# Altium PCB 1_ir-tara-f.PcbDoc (part 1 of 8)
Units mm, origin at the board's own origin, x right, y up, seen from the top; angles counter-clockwise.
Board outline 151 x 86.38 mm, 2 copper layers (Top Layer, Bottom Layer); 728 components, 20 nets, 2100 pads, 0 vias.
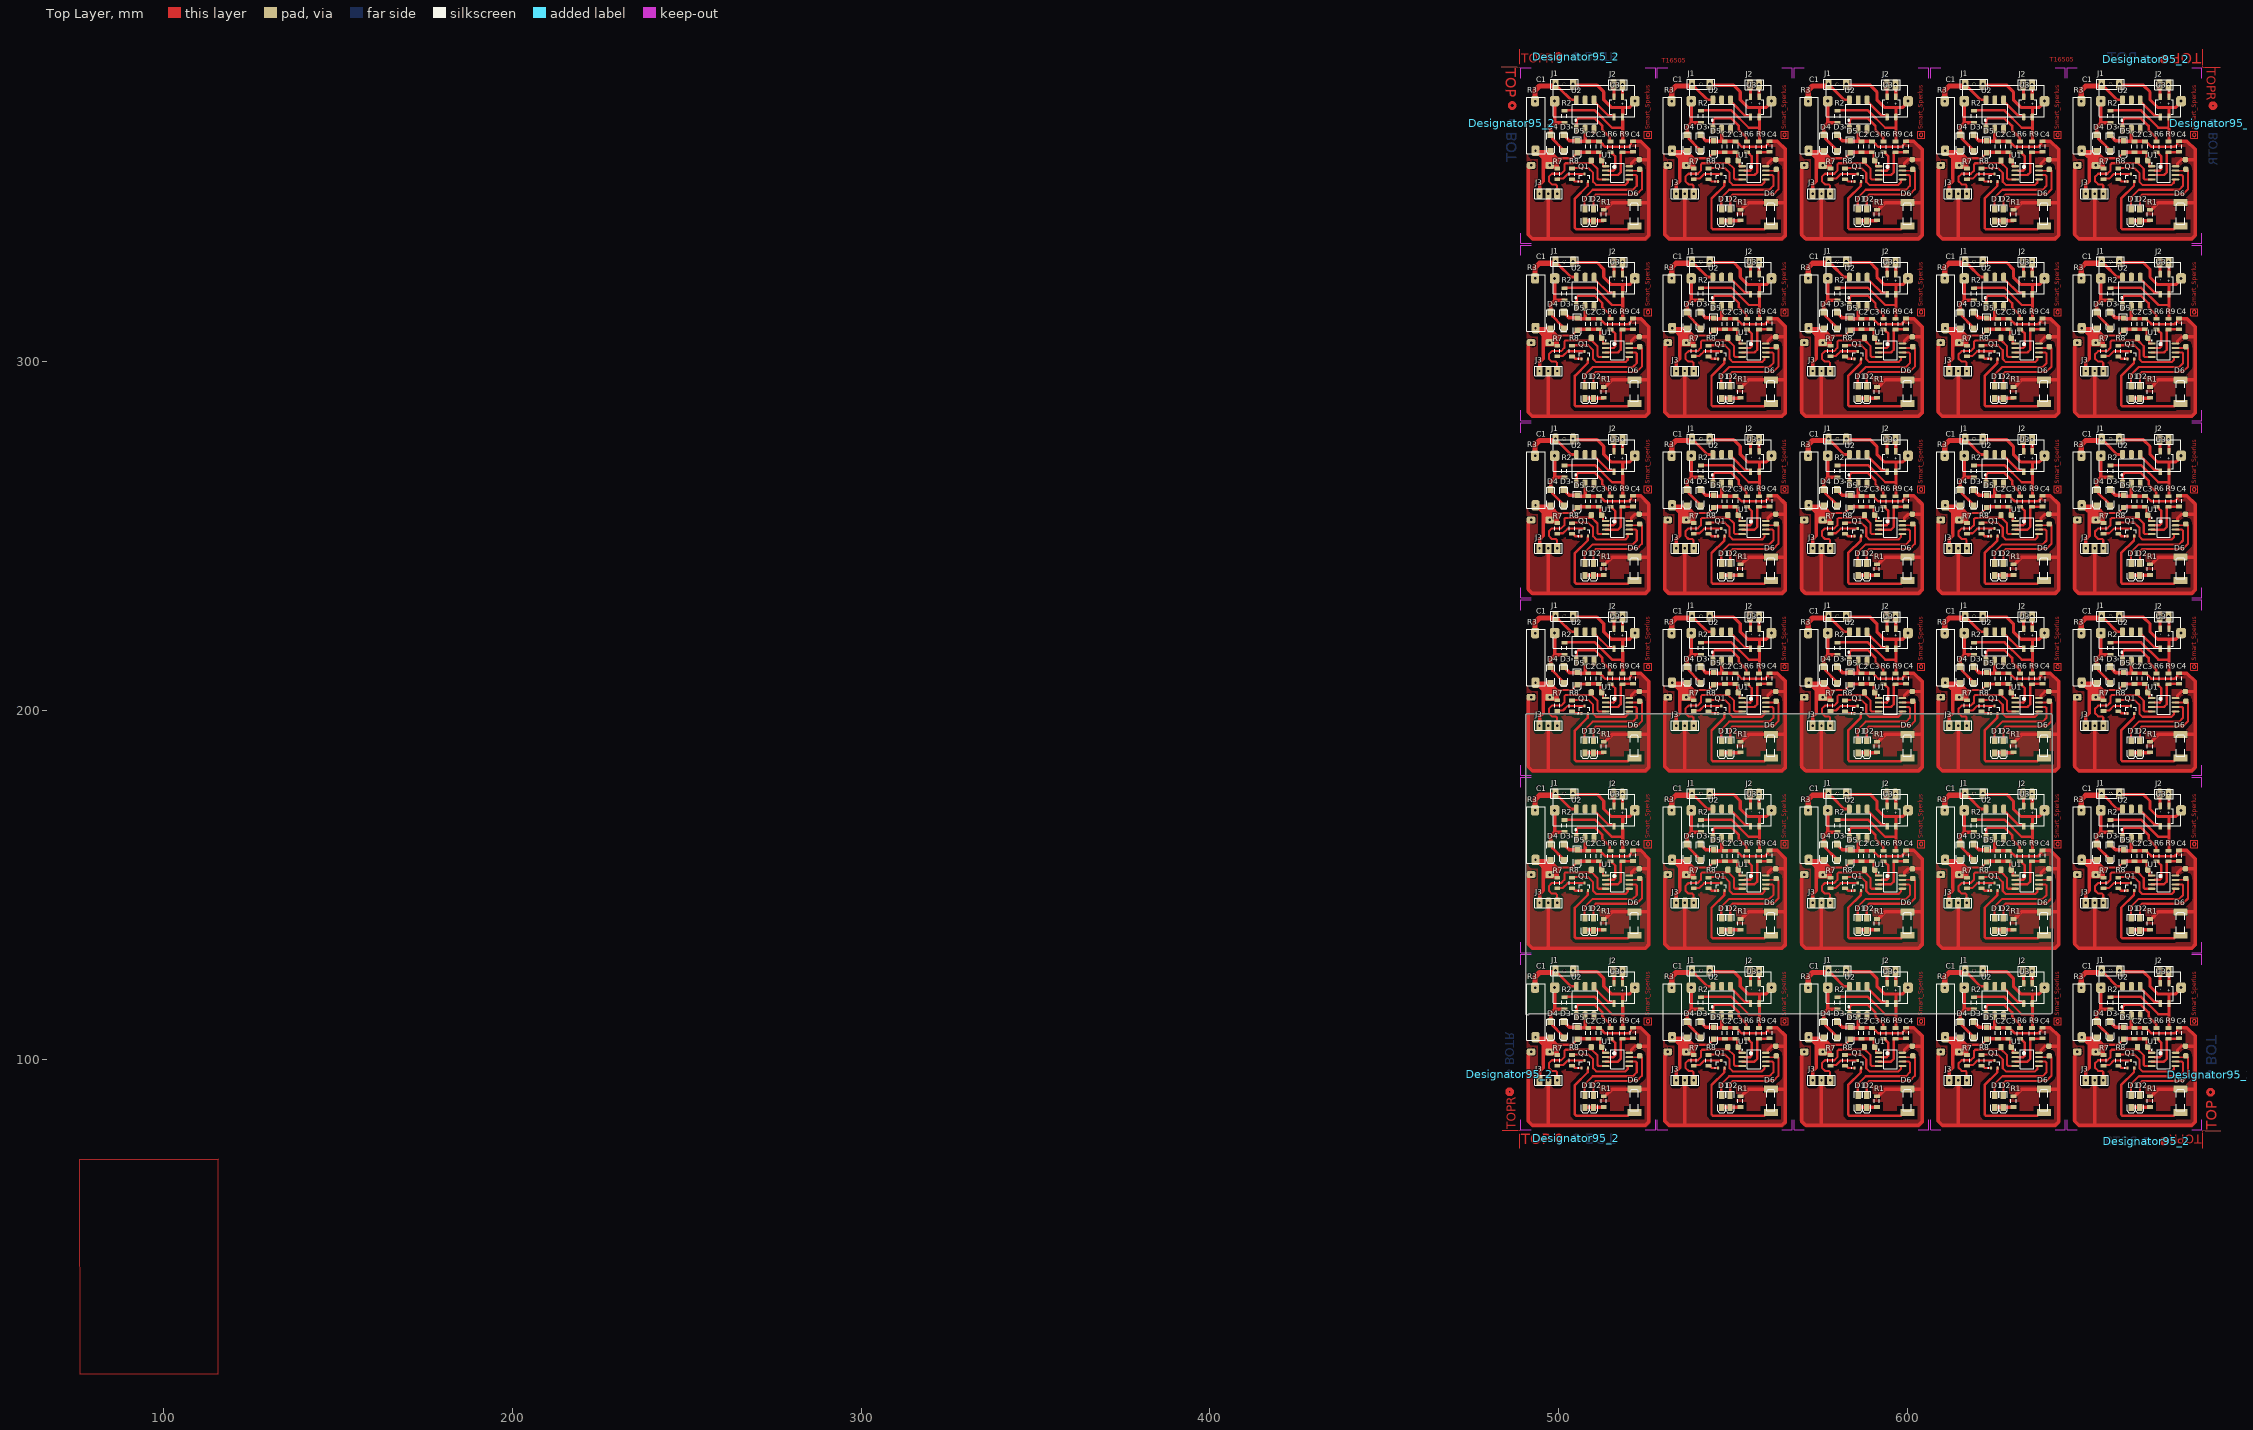
[diagram p0: Top Layer view]
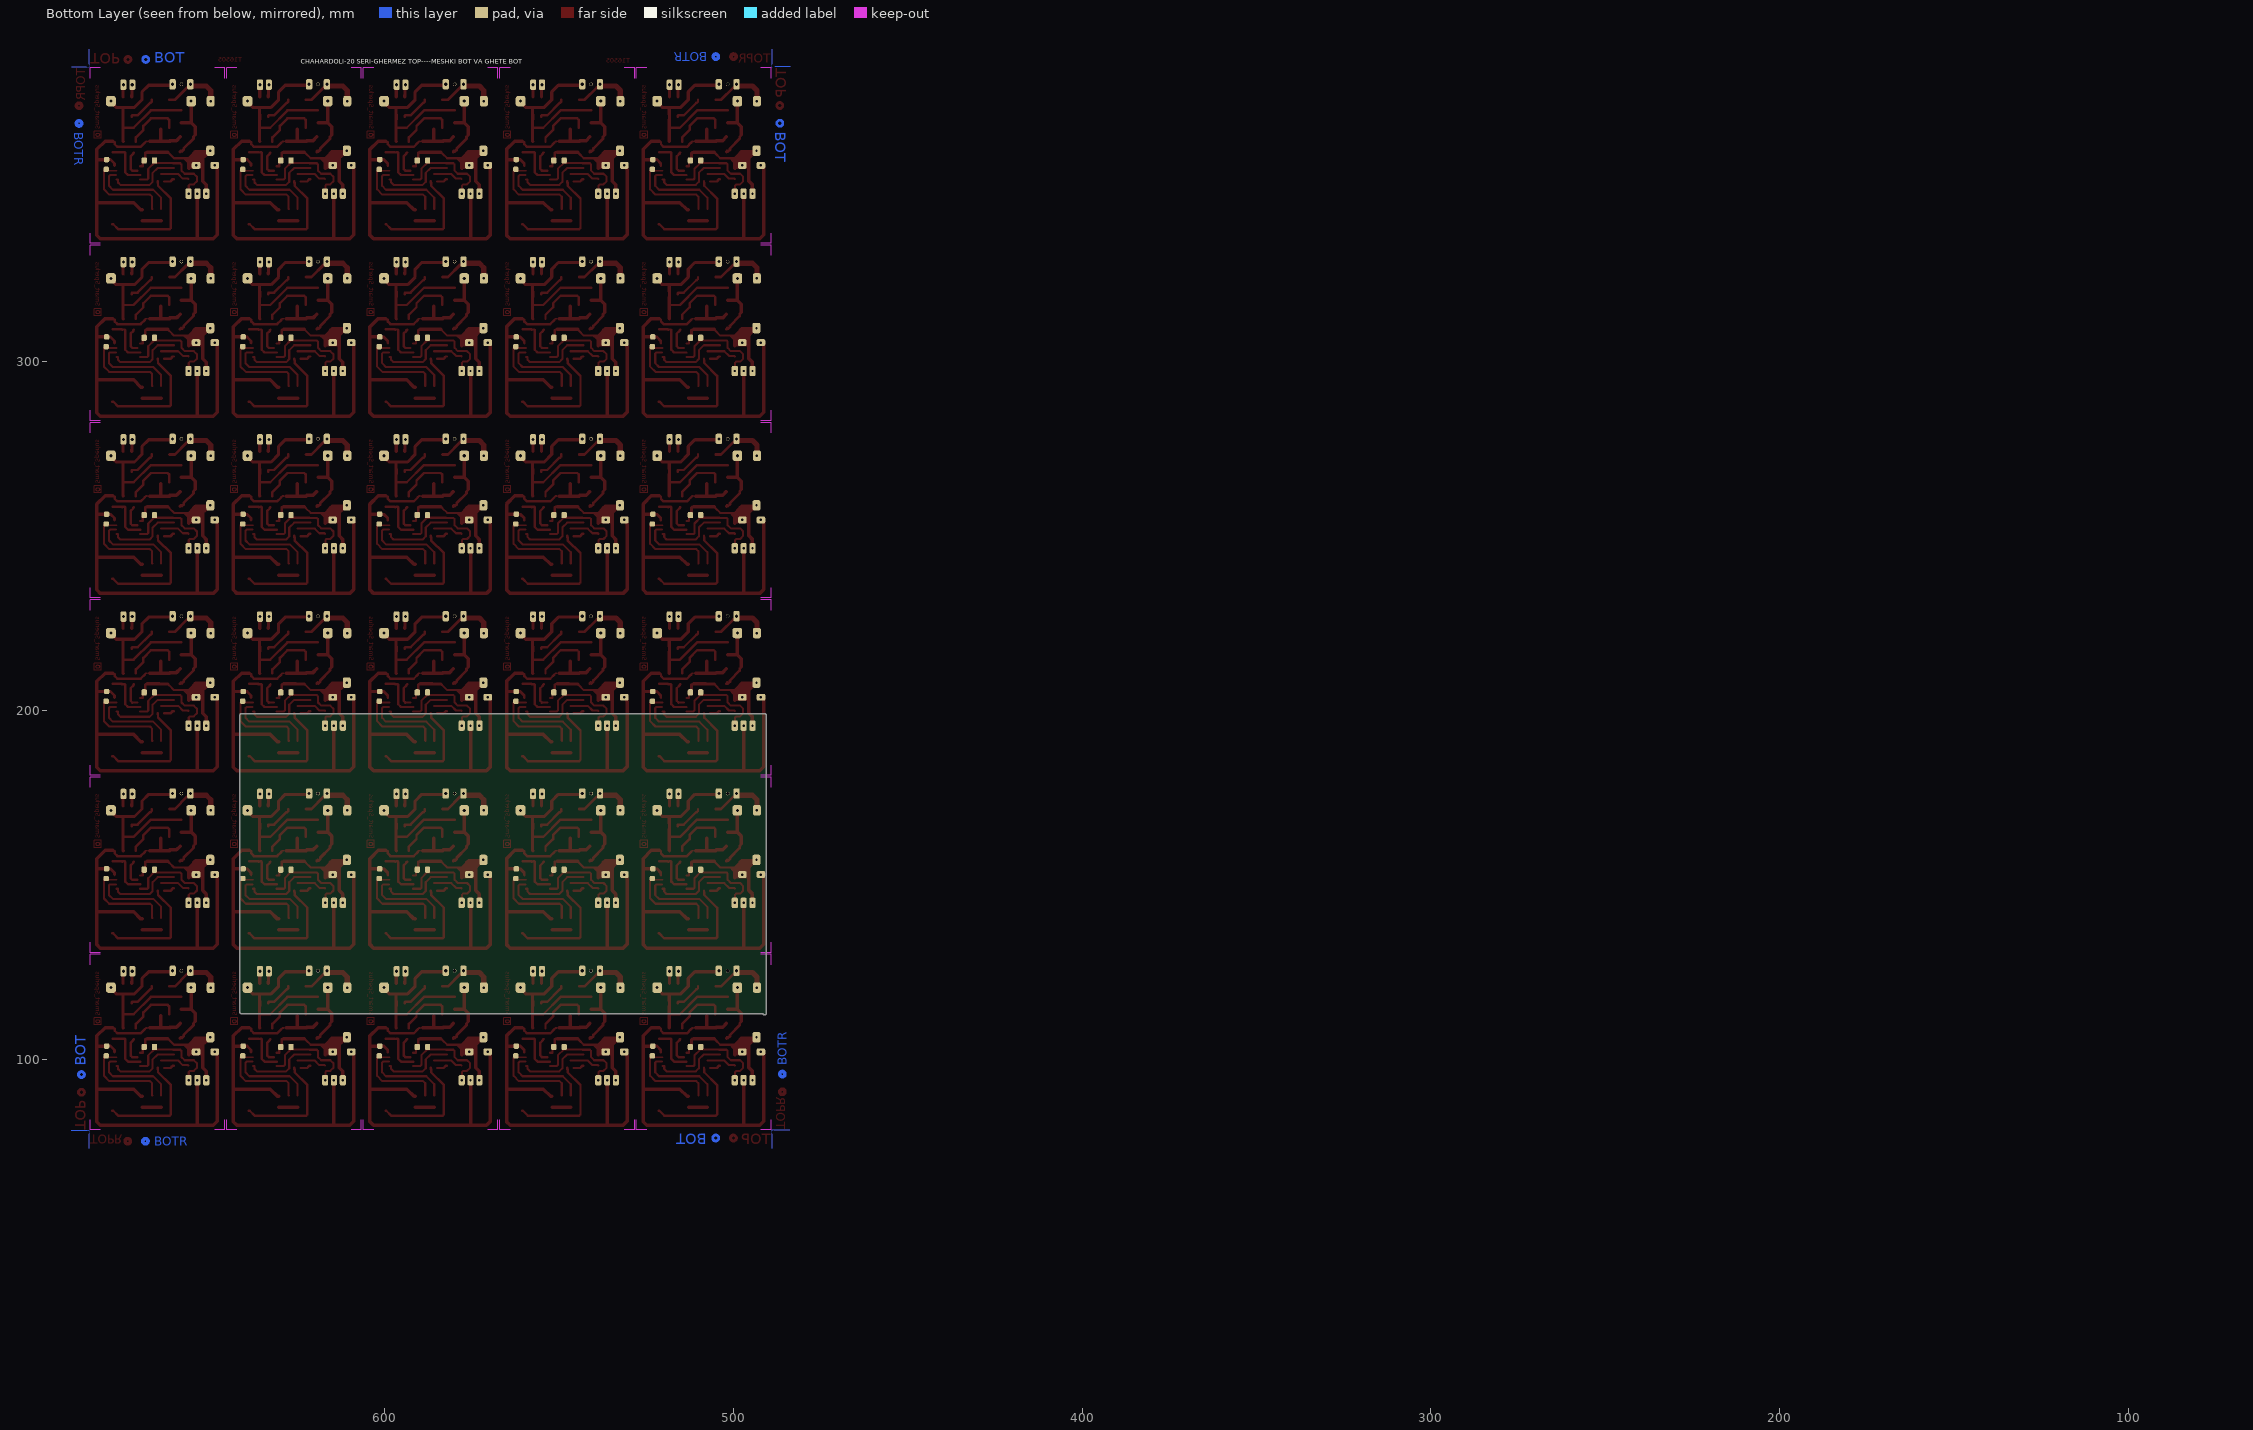
[diagram p1: Bottom Layer view, seen from below]

## Layer stack, top to bottom
Top Solder: solder mask 0.0102, Solder Resist, Dk 3.5
Top Layer: signal copper 0.0356
Dielectric1: dielectric 0.32, FR-4, Dk 4.8
Bottom Layer: signal copper 0.0356
Bottom Solder: solder mask 0.0102, Solder Resist, Dk 3.5

## Board outline
490.528,113.26 490.528,198.641 cw(c491.028,198.641) 491.028,199.142 641.028,199.142 cw(c641.028,198.641) 641.528,198.641 641.528,113.641 cw(c641.028,113.641) 641.028,113.141 491.514,113.141 cw(c491.028,113.26)

## Design rules (kind name [scope] priority, off if disabled: settings)
Clearance Clearance_1 [InPolygon] p1: gap=1 ignorepadtopadclearanceinfootprint=FALSE except(0: Arc-Hole Track-Hole SMDPad-Hole THPad-Hole Via-Hole Fill-Hole Poly-Hole Region-Hole Text-Hole)
Clearance [All] p2: gap=0.6 ignorepadtopadclearanceinfootprint=FALSE except(0: Arc-Hole Track-Hole SMDPad-Hole THPad-Hole Via-Hole Fill-Hole Poly-Hole Region-Hole Text-Hole)
FabricationTestpoint [(IsPad And (OnTopLayer Or OnBottomLayer))] p1: side=3 testpointundercomponent=TRUE minsize=1.016 maxsize=2.54 preferedsize=1.524 minholesize=0 maxholesize=1.016 preferedholesize=0.813 testpointgrid=0.025 allowsidetop=TRUE allowsidebottom=TRUE usegrid=TRUE gridtolerance=0
PolygonConnect [All] p1: connectstyle=Relief reliefconductorwidth=0.254 reliefentries=4 polygonreliefangle="90 Angle" airgapwidth=0.254
RoutingLayers [All] p1: top layer_v5=FALSE bottom layer_v5=TRUE
RoutingVias [All] p1: holewidth=0.711 width=2.5 viastyle="Through Hole" minholewidth=0.711 minwidth=1.27 maxholewidth=0.711 maxwidth=2
SolderMaskExpansion [All] p1: expansion=0.102 istentingtop=FALSE
Width [All] p1: maxlimit=3 minlimit=0.5 preferedwidth=1
28 further rules are at their usual default settings.

## Classes and differential pairs
component class ir-kh: C1 C2 C3 C4 D1 D2 D3 D4 D5 D6 D21 D22 D23 J1 J2 J3 J5 J8 JP? P5 P7 Q1 R1 R2 R6 R7 R8 R9 R22 U1 U2 U3 U17

## Components (designator, comment, footprint, x,y, rotation, side; value= is the part's Value field where it differs from the comment)
C1 "1uf 400v" "1uf 400v" 600.756,379.353 r180 top
C1 "1uf 400v" "1uf 400v" 639.911,379.353 r180 top
C1 "1uf 400v" "1uf 400v" 561.601,379.353 r180 top
C1 "1uf 400v" "1uf 400v" 522.447,379.353 r180 top
C1 "1uf 400v" "1uf 400v" 679.065,379.353 r180 top
C1 "1uf 400v" "1uf 400v" 600.756,328.514 r180 top
C1 "1uf 400v" "1uf 400v" 639.911,328.514 r180 top
C1 "1uf 400v" "1uf 400v" 561.601,328.514 r180 top
C1 "1uf 400v" "1uf 400v" 522.447,328.514 r180 top
C1 "1uf 400v" "1uf 400v" 679.065,328.514 r180 top
C1 "1uf 400v" "1uf 400v" 600.756,277.676 r180 top
C1 "1uf 400v" "1uf 400v" 639.911,277.676 r180 top
C1 "1uf 400v" "1uf 400v" 561.601,277.676 r180 top
C1 "1uf 400v" "1uf 400v" 522.447,277.676 r180 top
C1 "1uf 400v" "1uf 400v" 679.065,277.676 r180 top
C1 "1uf 400v" "1uf 400v" 600.756,125.16 r180 top
C1 "1uf 400v" "1uf 400v" 639.911,125.16 r180 top
C1 "1uf 400v" "1uf 400v" 561.601,125.16 r180 top
C1 "1uf 400v" "1uf 400v" 522.447,125.16 r180 top
C1 "1uf 400v" "1uf 400v" 679.065,125.16 r180 top
C1 "1uf 400v" "1uf 400v" 600.756,226.837 r180 top
C1 "1uf 400v" "1uf 400v" 639.911,226.837 r180 top
C1 "1uf 400v" "1uf 400v" 561.601,226.837 r180 top
C1 "1uf 400v" "1uf 400v" 522.447,226.837 r180 top
C1 "1uf 400v" "1uf 400v" 679.065,226.837 r180 top
C1 "1uf 400v" "1uf 400v" 679.065,175.998 r180 top
C1 "1uf 400v" "1uf 400v" 522.447,175.998 r180 top
C1 "1uf 400v" "1uf 400v" 561.601,175.998 r180 top
C1 "1uf 400v" "1uf 400v" 639.911,175.998 r180 top
C1 "1uf 400v" "1uf 400v" 600.756,175.998 r180 top
C2 "=Value" "CAP 1206"#1 586.786,361.7 r90 top
C2 "=Value" "CAP 1206"#1 625.941,361.7 r90 top
C2 "=Value" "CAP 1206"#1 547.631,361.7 r90 top
C2 "=Value" "CAP 1206"#1 508.477,361.7 r90 top
C2 "=Value" "CAP 1206"#1 665.095,361.7 r90 top
C2 "=Value" "CAP 1206"#1 586.786,310.861 r90 top
C2 "=Value" "CAP 1206"#1 625.941,310.861 r90 top
C2 "=Value" "CAP 1206"#1 547.631,310.861 r90 top
C2 "=Value" "CAP 1206"#1 508.477,310.861 r90 top
C2 "=Value" "CAP 1206"#1 665.095,310.861 r90 top
C2 "=Value" "CAP 1206"#1 586.786,260.023 r90 top
C2 "=Value" "CAP 1206"#1 625.941,260.023 r90 top
C2 "=Value" "CAP 1206"#1 547.631,260.023 r90 top
C2 "=Value" "CAP 1206"#1 508.477,260.023 r90 top
C2 "=Value" "CAP 1206"#1 665.095,260.023 r90 top
C2 "=Value" "CAP 1206"#1 586.786,107.507 r90 top
C2 "=Value" "CAP 1206"#1 625.941,107.507 r90 top
C2 "=Value" "CAP 1206"#1 547.631,107.507 r90 top
C2 "=Value" "CAP 1206"#1 508.477,107.507 r90 top
C2 "=Value" "CAP 1206"#1 665.095,107.507 r90 top
C2 "=Value" "CAP 1206"#1 586.786,209.184 r90 top
C2 "=Value" "CAP 1206"#1 625.941,209.184 r90 top
C2 "=Value" "CAP 1206"#1 547.631,209.184 r90 top
C2 "=Value" "CAP 1206"#1 508.477,209.184 r90 top
C2 "=Value" "CAP 1206"#1 665.095,209.184 r90 top
C2 "=Value" "CAP 1206"#1 665.095,158.345 r90 top
C2 "=Value" "CAP 1206"#1 508.477,158.345 r90 top
C2 "=Value" "CAP 1206"#1 547.631,158.345 r90 top
C2 "=Value" "CAP 1206"#1 625.941,158.345 r90 top
C2 "=Value" "CAP 1206"#1 586.786,158.345 r90 top
C3 "=Value" "CAP 1206"#1 589.834,361.7 r90 top
C3 "=Value" "CAP 1206"#1 628.989,361.7 r90 top
C3 "=Value" "CAP 1206"#1 550.679,361.7 r90 top
C3 "=Value" "CAP 1206"#1 511.525,361.7 r90 top
C3 "=Value" "CAP 1206"#1 668.143,361.7 r90 top
C3 "=Value" "CAP 1206"#1 589.834,310.861 r90 top
C3 "=Value" "CAP 1206"#1 628.989,310.861 r90 top
C3 "=Value" "CAP 1206"#1 550.679,310.861 r90 top
C3 "=Value" "CAP 1206"#1 511.525,310.861 r90 top
C3 "=Value" "CAP 1206"#1 668.143,310.861 r90 top
C3 "=Value" "CAP 1206"#1 589.834,260.023 r90 top
C3 "=Value" "CAP 1206"#1 628.989,260.023 r90 top
C3 "=Value" "CAP 1206"#1 550.679,260.023 r90 top
C3 "=Value" "CAP 1206"#1 511.525,260.023 r90 top
C3 "=Value" "CAP 1206"#1 668.143,260.023 r90 top
C3 "=Value" "CAP 1206"#1 589.834,107.507 r90 top
C3 "=Value" "CAP 1206"#1 628.989,107.507 r90 top
C3 "=Value" "CAP 1206"#1 550.679,107.507 r90 top
C3 "=Value" "CAP 1206"#1 511.525,107.507 r90 top
C3 "=Value" "CAP 1206"#1 668.143,107.507 r90 top
C3 "=Value" "CAP 1206"#1 589.834,209.184 r90 top
C3 "=Value" "CAP 1206"#1 628.989,209.184 r90 top
C3 "=Value" "CAP 1206"#1 550.679,209.184 r90 top
C3 "=Value" "CAP 1206"#1 511.525,209.184 r90 top
C3 "=Value" "CAP 1206"#1 668.143,209.184 r90 top
C3 "=Value" "CAP 1206"#1 668.143,158.345 r90 top
C3 "=Value" "CAP 1206"#1 511.525,158.345 r90 top
C3 "=Value" "CAP 1206"#1 550.679,158.345 r90 top
C3 "=Value" "CAP 1206"#1 628.989,158.345 r90 top
C3 "=Value" "CAP 1206"#1 589.834,158.345 r90 top
C4 "=Value" "CAP 1206"#2 599.613,361.827 r270 top
C4 "=Value" "CAP 1206"#2 638.768,361.827 r270 top
C4 "=Value" "CAP 1206"#2 560.458,361.827 r270 top
C4 "=Value" "CAP 1206"#2 521.304,361.827 r270 top
C4 "=Value" "CAP 1206"#2 677.922,361.827 r270 top
C4 "=Value" "CAP 1206"#2 599.613,310.988 r270 top
C4 "=Value" "CAP 1206"#2 638.768,310.988 r270 top
C4 "=Value" "CAP 1206"#2 560.458,310.988 r270 top
C4 "=Value" "CAP 1206"#2 521.304,310.988 r270 top
C4 "=Value" "CAP 1206"#2 677.922,310.988 r270 top
C4 "=Value" "CAP 1206"#2 599.613,260.15 r270 top
C4 "=Value" "CAP 1206"#2 638.768,260.15 r270 top
C4 "=Value" "CAP 1206"#2 560.458,260.15 r270 top
C4 "=Value" "CAP 1206"#2 521.304,260.15 r270 top
C4 "=Value" "CAP 1206"#2 677.922,260.15 r270 top
C4 "=Value" "CAP 1206"#2 599.613,107.634 r270 top
C4 "=Value" "CAP 1206"#2 638.768,107.634 r270 top
C4 "=Value" "CAP 1206"#2 560.458,107.634 r270 top
C4 "=Value" "CAP 1206"#2 521.304,107.634 r270 top
C4 "=Value" "CAP 1206"#2 677.922,107.634 r270 top
C4 "=Value" "CAP 1206"#2 599.613,209.311 r270 top
C4 "=Value" "CAP 1206"#2 638.768,209.311 r270 top
C4 "=Value" "CAP 1206"#2 560.458,209.311 r270 top
C4 "=Value" "CAP 1206"#2 521.304,209.311 r270 top
C4 "=Value" "CAP 1206"#2 677.922,209.311 r270 top
C4 "=Value" "CAP 1206"#2 677.922,158.472 r270 top
C4 "=Value" "CAP 1206"#2 521.304,158.472 r270 top
C4 "=Value" "CAP 1206"#2 560.458,158.472 r270 top
C4 "=Value" "CAP 1206"#2 638.768,158.472 r270 top
C4 "=Value" "CAP 1206"#2 599.613,158.472 r270 top
D1 "LED2" 3.2X1.6X1.1#1 585.897,342.142 r270 top
D1 "LED2" 3.2X1.6X1.1#1 625.052,342.142 r270 top
D1 "LED2" 3.2X1.6X1.1#1 546.742,342.142 r270 top
D1 "LED2" 3.2X1.6X1.1#1 507.588,342.142 r270 top
D1 "LED2" 3.2X1.6X1.1#1 664.206,342.142 r270 top
D1 "LED2" 3.2X1.6X1.1#1 585.897,291.303 r270 top
D1 "LED2" 3.2X1.6X1.1#1 625.052,291.303 r270 top
D1 "LED2" 3.2X1.6X1.1#1 546.742,291.303 r270 top
D1 "LED2" 3.2X1.6X1.1#1 507.588,291.303 r270 top
D1 "LED2" 3.2X1.6X1.1#1 664.206,291.303 r270 top
D1 "LED2" 3.2X1.6X1.1#1 585.897,240.465 r270 top
D1 "LED2" 3.2X1.6X1.1#1 625.052,240.465 r270 top
D1 "LED2" 3.2X1.6X1.1#1 546.742,240.465 r270 top
D1 "LED2" 3.2X1.6X1.1#1 507.588,240.465 r270 top
D1 "LED2" 3.2X1.6X1.1#1 664.206,240.465 r270 top
D1 "LED2" 3.2X1.6X1.1#1 585.897,87.949 r270 top
D1 "LED2" 3.2X1.6X1.1#1 625.052,87.949 r270 top
D1 "LED2" 3.2X1.6X1.1#1 546.742,87.949 r270 top
D1 "LED2" 3.2X1.6X1.1#1 507.588,87.949 r270 top
D1 "LED2" 3.2X1.6X1.1#1 664.206,87.949 r270 top
D1 "LED2" 3.2X1.6X1.1#1 585.897,189.626 r270 top
D1 "LED2" 3.2X1.6X1.1#1 625.052,189.626 r270 top
D1 "LED2" 3.2X1.6X1.1#1 546.742,189.626 r270 top
D1 "LED2" 3.2X1.6X1.1#1 507.588,189.626 r270 top
D1 "LED2" 3.2X1.6X1.1#1 664.206,189.626 r270 top
D1 "LED2" 3.2X1.6X1.1#1 664.206,138.787 r270 top
D1 "LED2" 3.2X1.6X1.1#1 507.588,138.787 r270 top
D1 "LED2" 3.2X1.6X1.1#1 546.742,138.787 r270 top
D1 "LED2" 3.2X1.6X1.1#1 625.052,138.787 r270 top
D1 "LED2" 3.2X1.6X1.1#1 585.897,138.787 r270 top
D2 "LED2" 3.2X1.6X1.1#1 588.31,342.142 r270 top
D2 "LED2" 3.2X1.6X1.1#1 627.465,342.142 r270 top
D2 "LED2" 3.2X1.6X1.1#1 549.155,342.142 r270 top
D2 "LED2" 3.2X1.6X1.1#1 510.001,342.142 r270 top
D2 "LED2" 3.2X1.6X1.1#1 666.619,342.142 r270 top
D2 "LED2" 3.2X1.6X1.1#1 588.31,291.303 r270 top
D2 "LED2" 3.2X1.6X1.1#1 627.465,291.303 r270 top
D2 "LED2" 3.2X1.6X1.1#1 549.155,291.303 r270 top
D2 "LED2" 3.2X1.6X1.1#1 510.001,291.303 r270 top
D2 "LED2" 3.2X1.6X1.1#1 666.619,291.303 r270 top
D2 "LED2" 3.2X1.6X1.1#1 588.31,240.465 r270 top
D2 "LED2" 3.2X1.6X1.1#1 627.465,240.465 r270 top
D2 "LED2" 3.2X1.6X1.1#1 549.155,240.465 r270 top
D2 "LED2" 3.2X1.6X1.1#1 510.001,240.465 r270 top
D2 "LED2" 3.2X1.6X1.1#1 666.619,240.465 r270 top
D2 "LED2" 3.2X1.6X1.1#1 588.31,87.949 r270 top
D2 "LED2" 3.2X1.6X1.1#1 627.465,87.949 r270 top
D2 "LED2" 3.2X1.6X1.1#1 549.155,87.949 r270 top
D2 "LED2" 3.2X1.6X1.1#1 510.001,87.949 r270 top
D2 "LED2" 3.2X1.6X1.1#1 666.619,87.949 r270 top
D2 "LED2" 3.2X1.6X1.1#1 588.31,189.626 r270 top
D2 "LED2" 3.2X1.6X1.1#1 627.465,189.626 r270 top
D2 "LED2" 3.2X1.6X1.1#1 549.155,189.626 r270 top
D2 "LED2" 3.2X1.6X1.1#1 510.001,189.626 r270 top
D2 "LED2" 3.2X1.6X1.1#1 666.619,189.626 r270 top
D2 "LED2" 3.2X1.6X1.1#1 666.619,138.787 r270 top
D2 "LED2" 3.2X1.6X1.1#1 510.001,138.787 r270 top
D2 "LED2" 3.2X1.6X1.1#1 549.155,138.787 r270 top
D2 "LED2" 3.2X1.6X1.1#1 627.465,138.787 r270 top
D2 "LED2" 3.2X1.6X1.1#1 588.31,138.787 r270 top
D3 "D Tunnel1" 3.2X1.6X1.1#2 579.801,362.843 r270 top
D3 "D Tunnel1" 3.2X1.6X1.1#2 618.956,362.843 r270 top
D3 "D Tunnel1" 3.2X1.6X1.1#2 540.646,362.843 r270 top
D3 "D Tunnel1" 3.2X1.6X1.1#2 501.492,362.843 r270 top
D3 "D Tunnel1" 3.2X1.6X1.1#2 658.11,362.843 r270 top
D3 "D Tunnel1" 3.2X1.6X1.1#2 579.801,312.004 r270 top
D3 "D Tunnel1" 3.2X1.6X1.1#2 618.956,312.004 r270 top
D3 "D Tunnel1" 3.2X1.6X1.1#2 540.646,312.004 r270 top
D3 "D Tunnel1" 3.2X1.6X1.1#2 501.492,312.004 r270 top
D3 "D Tunnel1" 3.2X1.6X1.1#2 658.11,312.004 r270 top
D3 "D Tunnel1" 3.2X1.6X1.1#2 579.801,261.166 r270 top
D3 "D Tunnel1" 3.2X1.6X1.1#2 618.956,261.166 r270 top
D3 "D Tunnel1" 3.2X1.6X1.1#2 540.646,261.166 r270 top
D3 "D Tunnel1" 3.2X1.6X1.1#2 501.492,261.166 r270 top
D3 "D Tunnel1" 3.2X1.6X1.1#2 658.11,261.166 r270 top
D3 "D Tunnel1" 3.2X1.6X1.1#2 579.801,108.65 r270 top
D3 "D Tunnel1" 3.2X1.6X1.1#2 618.956,108.65 r270 top
D3 "D Tunnel1" 3.2X1.6X1.1#2 540.646,108.65 r270 top
D3 "D Tunnel1" 3.2X1.6X1.1#2 501.492,108.65 r270 top
D3 "D Tunnel1" 3.2X1.6X1.1#2 658.11,108.65 r270 top
D3 "D Tunnel1" 3.2X1.6X1.1#2 579.801,210.327 r270 top
D3 "D Tunnel1" 3.2X1.6X1.1#2 618.956,210.327 r270 top
D3 "D Tunnel1" 3.2X1.6X1.1#2 540.646,210.327 r270 top
D3 "D Tunnel1" 3.2X1.6X1.1#2 501.492,210.327 r270 top
D3 "D Tunnel1" 3.2X1.6X1.1#2 658.11,210.327 r270 top
D3 "D Tunnel1" 3.2X1.6X1.1#2 658.11,159.488 r270 top
D3 "D Tunnel1" 3.2X1.6X1.1#2 501.492,159.488 r270 top
D3 "D Tunnel1" 3.2X1.6X1.1#2 540.646,159.488 r270 top
D3 "D Tunnel1" 3.2X1.6X1.1#2 618.956,159.488 r270 top
D3 "D Tunnel1" 3.2X1.6X1.1#2 579.801,159.488 r270 top
D4 "D Tunnel1" 3.2X1.6X1.1#2 575.991,362.843 r270 top
D4 "D Tunnel1" 3.2X1.6X1.1#2 615.146,362.843 r270 top
D4 "D Tunnel1" 3.2X1.6X1.1#2 536.836,362.843 r270 top
D4 "D Tunnel1" 3.2X1.6X1.1#2 497.682,362.843 r270 top
D4 "D Tunnel1" 3.2X1.6X1.1#2 654.3,362.843 r270 top
D4 "D Tunnel1" 3.2X1.6X1.1#2 575.991,312.004 r270 top
D4 "D Tunnel1" 3.2X1.6X1.1#2 615.146,312.004 r270 top
D4 "D Tunnel1" 3.2X1.6X1.1#2 536.836,312.004 r270 top
D4 "D Tunnel1" 3.2X1.6X1.1#2 497.682,312.004 r270 top
D4 "D Tunnel1" 3.2X1.6X1.1#2 654.3,312.004 r270 top
D4 "D Tunnel1" 3.2X1.6X1.1#2 575.991,261.166 r270 top
D4 "D Tunnel1" 3.2X1.6X1.1#2 615.146,261.166 r270 top
D4 "D Tunnel1" 3.2X1.6X1.1#2 536.836,261.166 r270 top
D4 "D Tunnel1" 3.2X1.6X1.1#2 497.682,261.166 r270 top
D4 "D Tunnel1" 3.2X1.6X1.1#2 654.3,261.166 r270 top
D4 "D Tunnel1" 3.2X1.6X1.1#2 575.991,108.65 r270 top
D4 "D Tunnel1" 3.2X1.6X1.1#2 615.146,108.65 r270 top
D4 "D Tunnel1" 3.2X1.6X1.1#2 536.836,108.65 r270 top
D4 "D Tunnel1" 3.2X1.6X1.1#2 497.682,108.65 r270 top
D4 "D Tunnel1" 3.2X1.6X1.1#2 654.3,108.65 r270 top
D4 "D Tunnel1" 3.2X1.6X1.1#2 575.991,210.327 r270 top
D4 "D Tunnel1" 3.2X1.6X1.1#2 615.146,210.327 r270 top
D4 "D Tunnel1" 3.2X1.6X1.1#2 536.836,210.327 r270 top
D4 "D Tunnel1" 3.2X1.6X1.1#2 497.682,210.327 r270 top
D4 "D Tunnel1" 3.2X1.6X1.1#2 654.3,210.327 r270 top
D4 "D Tunnel1" 3.2X1.6X1.1#2 654.3,159.488 r270 top
D4 "D Tunnel1" 3.2X1.6X1.1#2 497.682,159.488 r270 top
D4 "D Tunnel1" 3.2X1.6X1.1#2 536.836,159.488 r270 top
D4 "D Tunnel1" 3.2X1.6X1.1#2 615.146,159.488 r270 top
D4 "D Tunnel1" 3.2X1.6X1.1#2 575.991,159.488 r270 top
D5 "D Tunnel1" 3.2X1.6X1.1#3 583.611,361.7 r270 top
D5 "D Tunnel1" 3.2X1.6X1.1#3 622.766,361.7 r270 top
D5 "D Tunnel1" 3.2X1.6X1.1#3 544.456,361.7 r270 top
D5 "D Tunnel1" 3.2X1.6X1.1#3 505.302,361.7 r270 top
D5 "D Tunnel1" 3.2X1.6X1.1#3 661.92,361.7 r270 top
D5 "D Tunnel1" 3.2X1.6X1.1#3 583.611,310.861 r270 top
D5 "D Tunnel1" 3.2X1.6X1.1#3 622.766,310.861 r270 top
D5 "D Tunnel1" 3.2X1.6X1.1#3 544.456,310.861 r270 top
D5 "D Tunnel1" 3.2X1.6X1.1#3 505.302,310.861 r270 top
D5 "D Tunnel1" 3.2X1.6X1.1#3 661.92,310.861 r270 top
D5 "D Tunnel1" 3.2X1.6X1.1#3 583.611,260.023 r270 top
D5 "D Tunnel1" 3.2X1.6X1.1#3 622.766,260.023 r270 top
D5 "D Tunnel1" 3.2X1.6X1.1#3 544.456,260.023 r270 top
D5 "D Tunnel1" 3.2X1.6X1.1#3 505.302,260.023 r270 top
D5 "D Tunnel1" 3.2X1.6X1.1#3 661.92,260.023 r270 top
D5 "D Tunnel1" 3.2X1.6X1.1#3 583.611,107.507 r270 top
D5 "D Tunnel1" 3.2X1.6X1.1#3 622.766,107.507 r270 top
D5 "D Tunnel1" 3.2X1.6X1.1#3 544.456,107.507 r270 top
D5 "D Tunnel1" 3.2X1.6X1.1#3 505.302,107.507 r270 top
D5 "D Tunnel1" 3.2X1.6X1.1#3 661.92,107.507 r270 top
D5 "D Tunnel1" 3.2X1.6X1.1#3 583.611,209.184 r270 top
D5 "D Tunnel1" 3.2X1.6X1.1#3 622.766,209.184 r270 top
D5 "D Tunnel1" 3.2X1.6X1.1#3 544.456,209.184 r270 top
D5 "D Tunnel1" 3.2X1.6X1.1#3 505.302,209.184 r270 top
D5 "D Tunnel1" 3.2X1.6X1.1#3 661.92,209.184 r270 top
D5 "D Tunnel1" 3.2X1.6X1.1#3 661.92,158.345 r270 top